# Altium PCB IG-1.PCBDOC (part 2 of 2)
Units mm, origin at the board's own origin, x right, y up, seen from the top; angles counter-clockwise.
Board outline 46.6 x 24.5 mm, 4 copper layers (Top, GND Plane, Mid1-Ver, Bottom), stack 1.565 mm thick; 28 components, 31 nets, 364 pads, 250 vias.
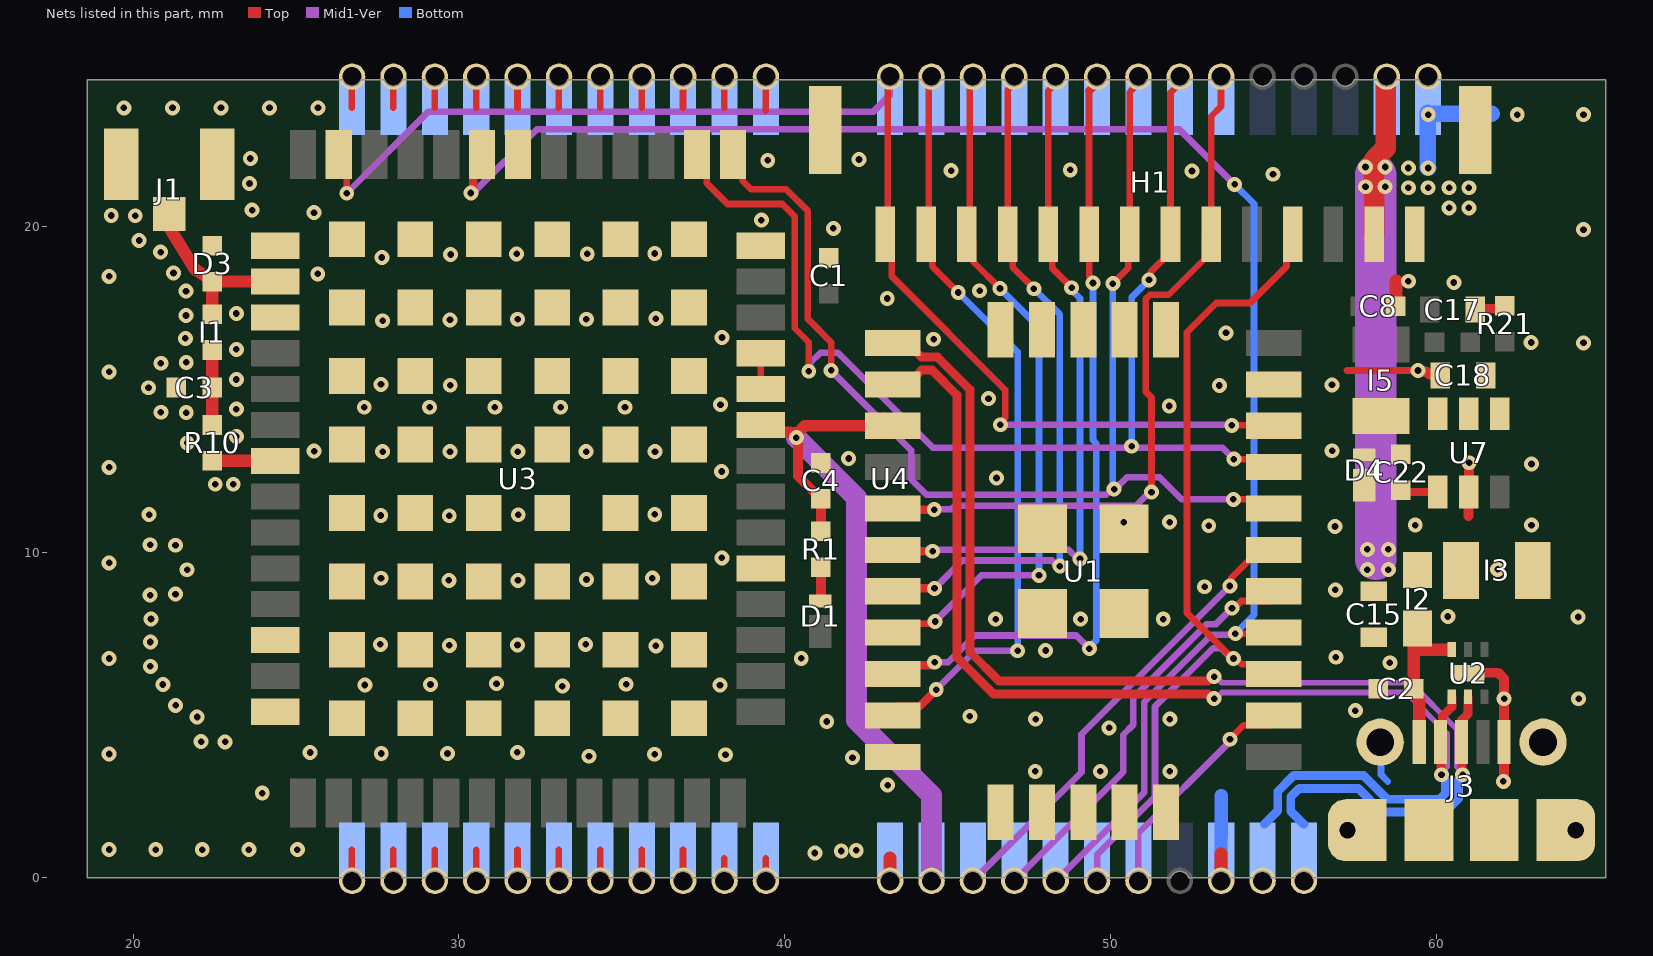
[diagram p4: the nets of this part, all layers, seen from the top]

## Via types
v1: diameter 0.457, hole 0.203, Top to Bottom, 250 vias

## Nets (pads, with @x,y where several pads share a name; then routed paths per layer and width w, separated by ;. In a path a pad name is that pad's centre, name@x,y a point inside that pad or via, vN(x,y) a via of type N, cw(c..) or ccw(c..) an arc to the next point about the centre after c; other vN are vias at no path point) (continued)
G2/Tx2TxCAN/SCL/STROBE: H1.6 U1.5 U4.6 | length 22.4
  Top w0.203: v1(51.254,11.84) 51.254,14.745 51.072,14.926 51.072,17.761 51.206,17.895 51.781,17.895 52.888,19.003 52.888,19.553 H1.6@53.087,19.751 53.087,23.372 53.388,23.673 53.388,24.199 U4.6@53.388,24.539
  Top w0.254: U1.5@43.136,11.337 43.172,11.301 v1(44.587,11.301)
  Mid1-Ver w0.203: v1(44.587,11.301) 44.605,11.318 45.121,11.318 45.222,11.419 50.777,11.419 51.198,11.84 v1(51.254,11.84)
G3/Tx0: H1.7 U1.19 U3.43 U4.7 | length 37.2
  Top w0.203: U3.43@37.313,22.201 37.611,21.902 37.611,21.313 38.241,20.683 39.922,20.683 40.305,20.3 40.305,16.871 40.736,16.44 v1(40.736,15.55) ; v1(51.178,18.352) 51.226,18.4 51.226,18.591 51.837,19.201 51.837,24.093 52.118,24.374 U4.7@52.118,24.539 ; v1(53.782,12.851) 54.941,12.851 U1.19@55.186,12.607
  Mid1-Ver w0.203: v1(40.736,15.55) 40.784,15.599 40.784,15.807 41.096,16.118 41.631,16.118 44.549,13.201 50.594,13.201 v1(50.642,13.249) ; v1@50.642,13.201 53.433,13.201 v1(53.782,12.851)
  Bottom w0.203: v1(50.642,13.249) 50.642,17.816 v1(51.178,18.352)
G4/Rx0: H1.8 U1.18 U3.42 U4.8 | length 37.9
  Top w0.203: U3.42@38.413,22.201 38.711,21.902 38.711,21.387 38.97,21.128 40.046,21.128 40.71,20.465 40.71,17.149 41.422,16.437 v1(41.422,15.574) ; v1@50.067,11.974 v1(50.109,11.932) ; v1@50.067,18.242 50.541,18.715 50.541,19.705 H1.8@50.587,19.751 50.587,24.113 50.848,24.374 U4.8@50.848,24.539 ; v1(53.764,11.616) 54.907,11.616 U1.18@55.186,11.337
  Mid1-Ver w0.203: v1(41.422,15.574) 43.878,13.118 43.878,12.229 44.35,11.758 49.866,11.758 50.04,11.932 50.131,11.932 50.497,12.298 51.498,12.298 52.18,11.616 v1(53.764,11.616)
  Bottom w0.203: v1@50.067,11.974 v1@50.067,18.242
  other v1: 50.067,18.238
G5/SCLK/STROBE: H1.9 U1.9 U4.9 | length 24.6
  Top w0.203: 49.337,24.147 H1.9@49.337,19.751 49.339,19.749 49.339,18.444 49.458,18.326 v1(49.458,18.257) ; v1@49.342,7.043 v1(49.347,7.038)
  Top w0.254: U1.9@43.136,6.257 43.409,6.53 44.455,6.53 44.545,6.619 v1(44.6,6.619) ; 49.337,24.147 49.578,24.388 U4.9@49.578,24.539
  Mid1-Ver w0.203: v1(44.6,6.619) 45.01,6.619 45.829,7.438 48.947,7.438 v1(49.347,7.038)
  Bottom w0.203: v1@49.347,7.048 49.347,7.077 49.554,7.284 49.554,13.342 49.458,13.438 v1(49.458,18.257)
G6/Rx1/MOSI: H1.10 U1.6 U4.10 | length 21.3
  Top w0.203: U4.10@48.308,24.539 48.308,24.374 48.087,24.153 H1.10@48.087,19.751 48.202,19.636 48.202,18.715 v1@48.803,18.114
  Top w0.254: U1.6@43.136,10.067 43.176,10.027 v1(44.539,10.027)
  Mid1-Ver w0.203: v1@44.552,10.027 44.596,10.071 48.711,10.071 48.99,9.793 v1(49.059,9.793)
  Bottom w0.203: v1@48.803,18.114 48.803,18.042 49.059,17.787 v1(49.059,9.793)
  other v1: 48.803,18.111
G7/Tx1/MISO: H1.11 U1.7 U4.11 | length 21.5
  Top w0.203: U4.11@47.038,24.539 47.038,24.374 46.837,24.173 H1.11@46.837,19.751 46.995,19.593 46.995,18.735 47.645,18.085 v1(47.645,18.082)
  Top w0.254: U1.7@43.136,8.797 43.227,8.888 v1(44.593,8.888)
  Mid1-Ver w0.203: v1@44.606,8.888 44.606,8.9 45.446,9.741 48.2,9.741 48.372,9.569 v1(48.441,9.569)
  Bottom w0.203: v1@47.647,18.083 47.647,18.08 48.441,17.286 v1(48.441,9.569)
G8/C\S\/STROBE: H1.12 U1.8 U4.12 | length 21.7
  Top w0.203: U1.8@43.136,7.527 43.409,7.8 44.488,7.8 44.558,7.87 v1(44.613,7.87) ; U4.12@45.768,24.539 45.677,24.448 45.677,19.842 H1.12@45.587,19.751 45.785,19.553 45.785,18.911 v1@46.606,18.091
  Mid1-Ver w0.203: v1@44.586,7.87 v1(44.613,7.87) 46.027,9.284 v1(47.8,9.284)
  Bottom w0.203: v1(46.604,18.089) 47.8,16.893 v1(47.8,9.284)
G9/S\P\I\_\E\N\/STROBE: H1.13 U1.10 U4.13 | length 23.8
  Top w0.203: U1.10@42.988,4.839 U1.10@43.136,4.987 ; U4.13@44.498,24.539 44.417,24.458 44.417,19.832 H1.13@44.337,19.751 44.526,19.562 44.526,18.765 45.322,17.969 v1(45.322,17.965)
  Top w0.254: U1.10@43.136,4.987 43.409,5.26 44.13,5.26 v1(44.65,5.78)
  Mid1-Ver w0.203: v1(44.65,5.78) 45.842,6.972 v1(47.146,6.972)
  Bottom w0.203: v1@45.324,17.967 47.146,16.145 v1(47.146,6.972)
G10/CHIP_ERASE: U1.17 U4.17 | length 14.4
  Top w0.203: v1(53.656,8.958) 53.705,9.006 53.705,9.211 54.561,10.067 U1.17@55.186,10.067
  Mid1-Ver w0.203: U4.17@45.773,-0.09 49.106,3.243 49.106,4.407 v1(53.656,8.958)
G11/SWDIO: U1.16 U4.18 | length 13
  Top w0.203: v1(53.723,8.279) 53.792,8.279 54.011,8.498 54.888,8.498 U1.16@55.186,8.797
  Mid1-Ver w0.203: U4.18@47.043,-0.09 50.388,3.255 50.388,4.396 50.699,4.707 50.699,5.534 52.956,7.79 53.235,7.79 v1(53.723,8.279)
G13/DRDY/XSDA: H1.4 U1.14 U4.20 | length 26.3
  Top w0.203: v1@53.737,6.734 52.341,8.13 52.341,16.744 53.24,17.642 54.274,17.642 55.398,18.766 55.398,19.562 H1.4@55.587,19.751 ; v1(53.772,6.734) 53.84,6.734 54.019,6.555 54.713,6.555 U1.14@55.011,6.257
  Mid1-Ver w0.203: U4.20@49.583,-0.09 49.583,0.713 51.36,2.49 51.36,5.26 53.145,7.046 53.391,7.046 53.703,6.734 v1(53.772,6.734)
G14/SWCLK: U1.13 U4.21 | length 7.3
  Top w0.203: v1(53.661,4.255) 53.661,4.263 54.086,4.688 54.888,4.688 U1.13@55.186,4.987
  Mid1-Ver w0.203: U4.21@50.847,-0.09 50.847,1.372 53.661,4.186 v1(53.661,4.255)
GND: C1.2 C2.2 C3.2 C4.2 C8.2 C15.2 C17.2 C18.2 D3.2 D4.A H1.0 H1.1 J1.2 J1.3 J3.5 J3.6 J3.7 J3.8 J3.9 R21.1 U1.0 U1.11 U1.21 U1.23 U1.24 U2.7 U3.1 U3.3 U3.12 U3.14 U3.32 U3.37 U3.38 U3.41 U3.48 U3.55 U4.0 U4.1 U4.15 U4.23 U7.2 | length 36.1
  Top w0.203: U4.0@26.717,0.16 26.717,0.86 ; 26.717,23.64 U4.0@26.717,24.34 ; U4.0@27.987,0.16 27.987,0.86 ; 27.987,23.64 U4.0@27.987,24.34 ; U4.0@29.257,0.16 29.257,0.86 ; 29.257,23.64 U4.0@29.257,24.34 ; U4.0@30.527,0.16 30.527,0.86 ; 30.527,23.64 U4.0@30.527,24.34 ; U4.0@31.797,0.16 31.797,0.86 ; 31.797,23.64 U4.0@31.797,24.34 ; U4.0@33.067,0.16 33.067,0.86 ; 33.067,23.64 U4.0@33.067,24.34 ; U4.0@34.337,0.16 34.337,0.86 ; 34.337,23.64 U4.0@34.337,24.34 ; U4.0@35.607,0.16 35.607,0.86 ; 35.607,23.64 U4.0@35.607,24.34 ; U4.0@36.877,0.16 36.877,0.86 ; 36.877,23.64 U4.0@36.877,24.34 ; U4.0@38.147,-0.09 38.147,0.61 ; 38.147,23.64 U4.0@38.147,24.34 ; U3.37@39.263,15.001 U3.38@39.263,16.101 ; U4.0@39.417,-0.09 39.417,0.61 ; 39.417,23.55 U4.0@39.417,24.59 ; v1@42.059,3.671 v1(42.078,3.69)
  Top w0.229: 57.261,15.572 v1@59.503,15.572
  Top w0.3: v1(59.43,15.572) 59.46,15.542 59.688,15.542 59.788,15.442
  Top w0.305: U2.7@60.969,6.285 60.981,6.297 61.892,6.297 62.071,6.119 v1@62.071,3.168 ; 60.988,11.108 U7.2@60.988,11.842 60.994,11.848 60.994,12.736 v1(60.999,12.742) ; C17.2@61.188,17.442 61.213,17.467 62.063,17.467 R21.1@62.088,17.492
  Top w0.406: U4.15@43.227,-0.09 43.227,0.61 ; U4.23@53.387,-0.09 53.39,0.739 ; C8.2@58.755,17.541 58.755,18.307 58.773,18.307
  Bottom w0.203: J3.6@58.27,4.167 J3.6@58.416,4.021 ; J3.6@58.296,3.929 58.296,3.17 58.504,2.961
  Bottom w0.406: U4.23@53.387,-0.09 53.394,2.53
  Bottom w0.508: v1(59.741,21.787) 59.737,21.791 59.737,23.475 59.759,23.453 61.687,23.453
  other v1: 40.924,0.765 41.733,0.827 42.195,0.847 19.267,0.873 20.696,0.869 22.125,0.869 23.554,0.869 25.043,0.869 23.964,2.603 43.156,2.85 62.053,2.964 47.685,3.27 49.685,3.27 51.817,3.27 33.992,3.735 36.007,3.796 38.18,3.781 19.267,3.804 27.616,3.82 29.651,3.82 25.433,3.849 31.793,3.853 22.826,4.174 22.09,4.182 49.952,4.607 41.288,4.8 47.7,4.872 51.817,4.872 21.968,4.94 45.681,4.962 57.509,5.133 21.309,5.297 62.074,5.498 64.361,5.498 33.175,5.885 27.113,5.922 38.01,5.917 20.916,5.937 29.128,5.936 35.132,5.945 31.154,5.963 20.532,6.493 58.566,6.603 19.267,6.736 40.505,6.737 56.912,6.772 48.004,6.981 36.044,7.121 29.706,7.136 31.8,7.148 27.591,7.167 33.887,7.166 20.531,7.241 20.553,7.946 46.47,7.943 49.077,7.943 51.614,7.943 64.343,8.007 60.35,8.023 20.524,8.68 21.302,8.708 56.894,8.838 52.886,8.935 29.694,9.132 31.812,9.132 33.917,9.159 27.608,9.198 35.935,9.199 21.66,9.457 61.877,9.469 19.267,9.667 38.069,9.823 21.302,10.21 20.524,10.224 53.009,10.807 56.885,10.785 59.348,10.827 62.914,10.826 50.407,10.913 51.809,10.92 27.601,11.123 29.704,11.114 20.494,11.151 31.82,11.144 36.009,11.158 22.523,12.08 23.076,12.08 46.495,12.275 38.064,12.472 19.267,12.598 62.914,12.703 41.958,12.872 27.661,13.082 29.728,13.082 31.807,13.082 33.906,13.082 36.016,13.082 25.558,13.099 56.798,13.108 21.663,13.351 23.173,13.545 21.634,14.277 20.856,14.292 23.173,14.385 27.096,14.445 29.104,14.445 31.102,14.445 33.121,14.445 35.098,14.445 51.799,14.484 38.027,14.525 46.251,14.709 20.476,15.043 29.735,15.118 53.335,15.11 27.611,15.145 56.792,15.132 23.173,15.297 19.267,15.53 20.856,15.794 21.634,15.822 23.173,16.22 64.51,16.419 62.904,16.432 44.567,16.531 21.604,16.556 38.073,16.584 53.54,16.727 27.658,17.097 29.728,17.126 31.801,17.144 33.913,17.144 36.045,17.163 21.626,17.261 23.173,17.32 43.144,17.781 21.626,18.009 45.978,18.018 60.532,18.273 59.136,18.31 19.267,18.461 25.67,18.538 21.241,18.565 27.635,19.04 29.748,19.13 31.771,19.152 33.94,19.152 36.01,19.162 20.848,19.205 20.189,19.562 64.51,19.896 41.492,19.932 39.283,20.185 19.331,20.328 20.067,20.32 25.552,20.416 23.654,20.492 60.387,20.561 60.991,20.561 59.136,21.18 59.741,21.18 60.387,21.18 60.991,21.18 23.576,21.309 54.984,21.595 52.494,21.694 45.104,21.705 48.761,21.727 59.136,21.787 39.478,22.02 42.277,22.047 23.6,22.077 59.745,23.422 62.477,23.422 64.51,23.422 19.721,23.631 21.21,23.631 22.699,23.631 24.188,23.631 25.677,23.631
GPS1_ANT: D3.1 I1.1 J1.1 U3.2 | length 5.2
  Top w0.378: J1.1@21.113,20.376 21.078,20.229 21.067,20.186 21.067,20.034 21.88,18.712 21.94,18.652 22.319,18.407 D3.1@22.43,18.3 I1.1@22.43,17.3 ; D3.1@22.713,18.301 U3.2@24.363,18.301
GPS.TIMEPULSE: H1.14 U1.20 U3.53 U4.14 | length 40.6
  Top w0.203: U3.53@26.313,22.201 26.557,21.956 v1(26.557,21.01) ; U4.14@43.228,24.539 43.157,24.468 43.157,19.822 H1.14@43.087,19.751 43.285,19.553 43.285,18.459 46.767,14.978 46.767,14.127 46.614,13.975 v1(46.614,13.906) ; v1(53.715,13.89) 55.173,13.89 U1.20@55.186,13.877
  Mid1-Ver w0.203: v1(26.557,21.01) 29.064,23.517 42.723,23.517 43.215,24.009 43.215,24.572 U4.14@43.233,24.59 ; v1(46.614,13.906) 46.616,13.904 v1@53.715,13.904
GPS_RESET_N: U1.15 U3.49 U4.19 | length 52.2
  Top w0.203: v1(53.825,7.498) 55.158,7.498 U1.15@55.186,7.527
  Top w0.254: v1(30.366,21.017) 30.366,21.072 30.44,21.145 30.44,21.928 U3.49@30.713,22.201
  Mid1-Ver w0.203: v1(30.366,21.017) 30.435,21.017 32.389,22.971 52.116,22.971 v1(53.804,21.284) ; U4.19@48.313,-0.09 51.029,2.626 51.029,5.397 53.093,7.46 53.787,7.46 v1(53.825,7.498)
  Bottom w0.203: v1(53.804,21.284) 54.4,20.687 54.4,8.074 v1(53.825,7.498)
NetC22_1: C22.1 U7.1 | length 1.2
  Top w0.254: C22.1@58.892,12.027 58.892,12.021 59.071,11.842 U7.1@60.038,11.842
NetD1_C: D1.C R1.1 | length 1
  Top w0.305: D1.C@41.109,8.514 R1.1@41.109,9.533
SW: C22.2 D4.C I5.1 U7.6
USB.D_N: J3.2 U1.2 U2.1 U4.24 | length 38.8
  Top w0.272: 45.284,14.819 45.284,6.769 46.413,5.64 52.985,5.64 53.125,5.5 v1(53.175,5.5)
  Top w0.273: U1.2@42.611,15.159 43.773,15.159 44.196,15.582 44.521,15.582 45.284,14.819 ; v1(60.151,3.167) 60.135,3.183 60.135,4.151 J3.2@60.12,4.167 60.184,4.231 60.184,4.96 60.469,5.246 U2.1@60.469,5.56
  Mid1-Ver w0.177: v1(53.175,5.5) 53.232,5.5 53.419,5.687 59.068,5.687 60.324,4.431 60.324,3.411 60.151,3.238 v1(60.151,3.167)
  Bottom w0.272: U4.24@54.716,1.647 55.128,2.06 55.128,2.654 55.623,3.149 57.758,3.149 58.489,2.417 60.094,2.417 60.277,2.6 60.277,2.991 60.151,3.117 v1(60.151,3.167)
USB.D_P: J3.3 U1.1 U2.2 U4.25 | length 39.2
  Top w0.272: 45.683,14.985 45.683,6.934 46.578,6.039 52.985,6.039 53.125,6.179 v1(53.175,6.179)
  Top w0.273: U1.1@42.611,16.429 43.748,16.429 44.196,15.982 44.686,15.982 45.683,14.985 ; J3.3@60.77,4.167 60.77,4.842 60.969,5.041 U2.2@60.969,5.56 ; J3.3@60.785,4.167 60.785,3.183 v1(60.801,3.167)
  Mid1-Ver w0.177: v1(53.175,6.179) 53.221,6.179 53.409,5.991 59.194,5.991 60.628,4.557 60.628,3.411 60.801,3.238 v1(60.801,3.167)
  Bottom w0.272: U4.25@55.932,1.647 55.527,2.051 55.527,2.488 55.789,2.75 57.592,2.75 58.324,2.018 60.259,2.018 60.675,2.434 60.675,2.991 60.801,3.117 v1(60.801,3.167)
USB.VBUS: C2.1 I2.2 J3.1 U2.6 | length 3.5
  Top w0.381: I2.2@59.307,7.302 C2.1@59.307,5.799 59.417,5.69 59.417,5.517 59.467,5.467 J3.1@59.467,4.747 ; 59.543,7.009 U2.6@60.404,7.009
V_ANT: C3.1 I1.2 R10.2 | length 2.3
  Top w0.378: R10.2@22.43,13.9 22.43,15 22.38,15.05 22.43,15.1 I1.2@22.43,16.2
VBAT: C4.1 R1.2 U1.3 U3.36 U4.16 | length 22.7
  Top w0.305: v1(40.355,13.513) 40.384,13.484 40.384,13.376 40.41,13.35 40.41,12.331 C4.1@41.109,11.633 R1.2@41.109,10.633
  Top w0.356: U3.36@39.399,13.884 39.604,13.678 40.162,13.678 40.327,13.513 v1(40.355,13.513) 40.355,13.54 40.406,13.591 40.406,13.664 40.614,13.872 42.966,13.872 U1.3@43.053,13.959
  Top w0.635: U1.3@43.053,13.959 U1.3@43.136,13.877
  Mid1-Ver w0.635: v1(40.355,13.513) 42.201,11.666 42.201,4.839 44.503,2.537 U4.16@44.503,-0.09
VCC_RF: R10.1 U3.7 | length 1.9
  Top w0.378: R10.1@22.43,12.801 U3.7@24.363,12.801
VIN: C15.1 H1.2 I2.1 I3.1 U4.2 | length 16.8
  Top w0.635: H1.2@58.087,19.751 58.087,22.043 58.442,22.399 58.442,24.514 U4.2@58.468,24.539
  Mid1-Ver w1.27: 58.138,9.772 58.138,21.58
  other v1: 57.878,9.462 58.524,9.462 57.878,10.084 58.524,10.084 57.819,21.209 58.424,21.209 57.819,21.816 58.424,21.816
VIN_P: C18.1 I3.2 U7.4 U7.5
pads on no net: J3.4 U2.3 U2.4 U2.5 U3.4 U3.5 U3.6 U3.8 U3.9 U3.10 U3.11 U3.13 U3.15 U3.16 U3.17 U3.18 U3.19 U3.20 U3.21 U3.22 U3.23 U3.24 U3.25 U3.26 U3.27 U3.28 U3.29 U3.30 U3.31 U3.35 U3.39 U3.40 U3.44 U3.45 U3.46 U3.47 U3.50 U3.51 U3.52 U3.54 U4.4

## Polygon pours and split planes (outlines as drawn)
GND on Top "GND_L01_P010" (solid, remove dead copper, pour order 10): 19.025,0.517 19.025,24 64.744,24 64.744,0.517
GND on Top "NONET_L-01_P-001" (solid, pour order 12): 59.126,24.25 59.126,19.021 58.455,18.349 58.455,17.241 64.863,17.241 64.888,17.266 64.888,24.25
+3.3V on Mid1-Ver "+3.3V_L03_P009" (solid, remove dead copper, pour order 9): 18.625,0.25 18.625,24.25 64.785,24.25 64.785,0.25
GND on Bottom "GND_L04_P013" (solid, remove dead copper, pour order 13): 18.807,0.517 18.807,24 64.744,24 64.744,0.517
GND on GND Plane (split plane): 616 vertices, not listed, extent 18.856,0.256 64.944,24.244

## Other copper
Top:
  region net VIN: 57.673,8.541 61.174,8.541 61.174,10.318 59.874,10.318 57.673,10.318
  pour cut-out: 21.638,20.709 21.638,19.76 22.336,19.76 22.336,20.709
  pour cut-out: 22.815,19.273 22.815,18.53 23.513,18.53 23.513,19.273
  pour cut-out: 41.596,17.148 41.596,16.405 42.001,16.405 42.012,16.394 42.021,16.402 42.021,17.148
  pour cut-out: 40.18,15.165 40.18,14.422 40.586,14.422 40.597,14.411 40.606,14.419 40.606,15.165
  region net +3.3V: 59.171,16.031 58.999,15.859 56.371,15.859 56.211,16.031 54.452,16.031 54.452,16.81 56.537,18.894 56.537,19.126 57.137,19.126 57.137,18.819 58.205,17.751 58.205,17.083 59.256,17.083 59.256,17.817 60.24,17.817 60.24,16.173 60.098,16.031
  region net VIN_P: 63.509,10.316 63.154,10.316 63.154,8.573 64.97,8.573 64.97,15.842 62.238,15.842 61.447,15.842 61.44,15.834 61.324,15.836 61.33,15.485 60.688,14.843 60.688,13.234 63.509,13.234
  region net SW: 57.415,15.301 57.415,12.894 60.34,12.894 60.34,14.651 59.165,14.651 59.165,15.301
Mid1-Ver:
  region net +3.3V: 56.759,18.663 56.759,17.067 56.509,16.817 55.1,16.817 54.808,17.109 56.362,18.663
Bottom:
  region net +3.3V: 56.759,18.663 56.759,17.067 56.509,16.817 55.1,16.817 54.808,17.109 56.362,18.663

## Silkscreen, mask and mechanical layers (free items; w line width, h text height)
Silkscreen Top:
  region: 51.693,9.909 cw(c49.239,9.909) 51.693,9.913 cw(c51.586,9.913) 51.693,9.913 cw(c51.586,9.913) 51.478,9.913 ccw(c49.239,9.909) 51.478,9.909 cw(c51.586,9.909)
  region: 49.134,8.756 49.134,8.258 49.347,8.258 49.347,8.788
  region: 49.244,11.639 48.926,11.101 49.135,11.009 49.135,10.822 49.347,10.848 49.347,11.009 49.551,11.096
  region: 50.472,10.687 49.934,11.005 49.842,10.796 49.817,10.796 49.842,10.584 49.929,10.38
  region: 49.818,10.796 49.598,10.788 49.311,10.762 49.172,10.743 48.935,10.698 48.805,10.665 48.64,10.608 48.534,10.553 48.478,10.518 48.438,10.486 48.396,10.446 48.369,10.405 48.346,10.369 48.333,10.333 48.324,10.296 48.321,10.261 48.321,10.221 48.325,10.192 48.34,10.146 48.358,10.106 48.385,10.068 48.431,10.02 48.474,9.984 48.526,9.948 48.605,9.907 48.692,9.866 48.794,9.827 48.894,9.793 48.988,9.764 49.079,9.739 49.079,9.962 48.94,10.002 48.808,10.047 48.699,10.094 48.614,10.139 48.581,10.166 48.549,10.201 48.537,10.224 48.533,10.247 48.533,10.272 48.546,10.297 48.569,10.323 48.6,10.348 48.634,10.37 48.679,10.392 48.731,10.415 48.775,10.43 48.824,10.448 48.888,10.465 48.962,10.485 49.066,10.507 49.176,10.527 49.283,10.543 49.429,10.559 49.609,10.577 49.841,10.59
  region: 49.134,10.435 49.134,9.142 49.347,9.174 49.347,10.468
  region: 48.51,8.807 48.824,8.816 49.097,8.839 49.309,8.867 49.546,8.913 49.676,8.946 49.84,9.003 49.947,9.058 50.003,9.093 50.042,9.124 50.085,9.165 50.112,9.205 50.135,9.242 50.148,9.278 50.157,9.315 50.16,9.349 50.16,9.39 50.155,9.419 50.14,9.465 50.123,9.505 50.095,9.542 50.05,9.591 50.006,9.627 49.955,9.662 49.876,9.704 49.788,9.745 49.687,9.784 49.587,9.817 49.493,9.846 49.401,9.872 49.401,9.649 49.541,9.609 49.673,9.563 49.782,9.517 49.866,9.472 49.9,9.445 49.932,9.409 49.943,9.386 49.948,9.363 49.948,9.339 49.935,9.314 49.911,9.288 49.88,9.262 49.846,9.241 49.802,9.218 49.75,9.196 49.705,9.18 49.656,9.163 49.593,9.146 49.519,9.126 49.414,9.103 49.304,9.084 49.198,9.068 49.052,9.052 48.872,9.034 48.51,9.017
  lines w0.305: 41.745,7.698 41.745,10.004 ; 41.751,10.984 41.751,13.321
  text "IG-1.1.1-G1" at 64.969,16.013 h1.65 r90
Silkscreen Bottom:
  text "'.PcbRevision'" at 60.144,5.864 h2.03
Dimensions:
  drawing of 295 lines, arcs and shapes, not listed
  text "Layer" at 79.045,35.193 h1.52
  text "Name" at 89.457,35.193 h1.52
  text "Material" at 119.167,35.193 h1.52
  text "Thickness" at 141.005,35.193 h1.52
  text "Constant" at 157.511,35.193 h1.52
  text "Board Layer Stack" at 171.985,35.193 h1.52
  text "Silkscreen Top" at 89.457,32.145 h1.52
  text "Solder Mask Top" at 89.457,29.097 h1.52
  text "Solder Resist" at 119.167,29.097 h1.52
  text "0.40mil" at 141.005,29.097 h1.52
  text "3.5" at 157.511,29.097 h1.52
  text "1" at 79.045,26.049 h1.52
  text "Top" at 89.457,26.049 h1.52
  text "2.10mil" at 141.005,26.049 h1.52
  text "Dielectric1" at 89.457,23.001 h1.52
  text "PP-006" at 119.167,23.001 h1.52
  text "8.00mil" at 141.005,23.001 h1.52
  text "4.1" at 157.511,23.001 h1.52
  text "2" at 79.045,19.953 h1.52
  text "GND Plane" at 89.457,19.953 h1.52
  text "0.70mil" at 141.005,19.953 h1.52
  text "Dielectric3" at 89.457,16.905 h1.52
  text "Core-009" at 119.167,16.905 h1.52
  text "40.00mil" at 141.005,16.905 h1.52
  text "4.5" at 157.511,16.905 h1.52
  text "3" at 79.045,13.857 h1.52
  text "Mid1-Ver" at 89.457,13.857 h1.52
  text "0.70mil" at 141.005,13.857 h1.52
  text "Dielectric2" at 89.457,10.809 h1.52
  text "PP-006" at 119.167,10.809 h1.52
  text "8.00mil" at 141.005,10.809 h1.52
  text "4.1" at 157.511,10.809 h1.52
  text "4" at 79.045,7.761 h1.52
  text "Bottom" at 89.457,7.761 h1.52
  text "2.10mil" at 141.005,7.761 h1.52
  text "Solder Mask Bottom" at 89.457,4.713 h1.52
  text "Solder Resist" at 119.167,4.713 h1.52
  text "0.40mil" at 141.005,4.713 h1.52
  text "3.5" at 157.511,4.713 h1.52
  text "Silkscreen Bottom" at 89.457,1.665 h1.52
Drill Drawing:
  circle w0.127: c1.429,-11.139 r0.494
  lines w0.127: 0.056,-18.967 57.191,-18.967 ; 0.056,-10.077 57.191,-10.077 ; 8.15,-21.189 8.15,-7.854 ; 18.422,-21.189 18.422,-7.854 ; 38.292,-21.189 38.292,-7.854 ; 45.719,-21.189 45.719,-7.854 ; 0.056,-21.189 57.191,-21.189 57.191,-7.854 0.056,-7.854 0.056,-21.189 ; 0.935,-18.3 1.923,-18.3 1.923,-17.312 0.935,-17.312 0.935,-18.3 ; 0.935,-15.83 1.182,-15.83 1.429,-16.077 1.676,-15.83 1.923,-15.83 1.676,-15.584 1.923,-15.337 1.676,-15.337 1.429,-15.09 1.182,-15.337 0.935,-15.337 1.182,-15.584 0.935,-15.83 ; 0.935,-12.867 1.923,-12.867 1.429,-13.855 0.935,-12.867
  text "Symbol" at 1.389,-9.41 h1.07
  text "Hit Count" at 8.817,-9.41 h1.07
  text "Finished Hole Size" at 19.089,-9.41 h1.07
  text "Plated" at 38.958,-9.41 h1.07
  text "Hole Type" at 46.386,-9.41 h1.07
  text "2" at 8.817,-11.632 h0.89
  text "19.69mil (0.500mm)" at 19.089,-11.632 h0.89
  text "PTH" at 38.958,-11.632 h0.89
  text "Slot" at 46.386,-11.632 h0.89
  text "2" at 8.817,-13.855 h0.89
  text "33.47mil (0.850mm)" at 19.089,-13.855 h0.89
  text "PTH" at 38.958,-13.855 h0.89
  text "Round" at 46.386,-13.855 h0.89
  text "47" at 8.817,-16.077 h0.89
  text "23.00mil (0.584mm)" at 19.089,-16.077 h0.89
  text "PTH" at 38.958,-16.077 h0.89
  text "Round" at 46.386,-16.077 h0.89
  text "250" at 8.817,-18.3 h0.89
  text "8.00mil (0.203mm)" at 19.089,-18.3 h0.89
  text "PTH" at 38.958,-18.3 h0.89
  text "Round" at 46.386,-18.3 h0.89
  text "301 Total" at 8.817,-20.522 h0.89
  text "Slot definitions :" at 1.389,-22.628 h0.89
  text "Routed Path Length" at 16.631,-22.628 h0.89
  text "= Calculated from tool start centre position to tool end centre position." at 32.91,-22.628 h0.89
  text "Hole Length" at 16.631,-24.067 h0.89
  text "= Routed Path Length + Tool Size = Slot length as defined in the PCB layout" at 26.837,-24.067 h0.89
Board Outline:
  lines w0.127: 65.194,24.5 60.015,24.5 cw(c59.737,24.59) 59.459,24.5 58.745,24.5 cw(c58.467,24.59) 58.189,24.5 57.475,24.5 cw(c57.197,24.59) 56.919,24.5 56.205,24.5 cw(c55.927,24.59) 55.649,24.5 54.935,24.5 cw(c54.657,24.59) 54.379,24.5 53.665,24.5 cw(c53.387,24.59) 53.109,24.5 52.395,24.5 cw(c52.117,24.59) 51.839,24.5 51.125,24.5 cw(c50.847,24.59) 50.569,24.5 49.855,24.5 cw(c49.577,24.59) 49.299,24.5 48.585,24.5 cw(c48.307,24.59) 48.029,24.5 47.315,24.5 cw(c47.037,24.59) 46.759,24.5 46.045,24.5 cw(c45.767,24.59) 45.489,24.5 44.775,24.5 cw(c44.497,24.59) 44.219,24.5 43.505,24.5 cw(c43.227,24.59) 42.949,24.5 39.695,24.5 cw(c39.417,24.59) 39.139,24.5 38.425,24.5 cw(c38.147,24.59) 37.869,24.5 37.155,24.5 cw(c36.877,24.59) 36.599,24.5 35.885,24.5 cw(c35.607,24.59) 35.329,24.5 34.615,24.5 cw(c34.337,24.59) 34.059,24.5 33.345,24.5 cw(c33.067,24.59) 32.789,24.5 32.075,24.5 cw(c31.797,24.59) 31.519,24.5 30.805,24.5 cw(c30.527,24.59) 30.249,24.5 29.535,24.5 cw(c29.257,24.59) 28.979,24.5 28.265,24.5 cw(c27.987,24.59) 27.709,24.5 26.995,24.5 cw(c26.717,24.59) 26.439,24.5 18.6,24.5 18.6,0 25.725,0 26.439,0 cw(c26.717,-0.09) 26.995,0 27.709,0 cw(c27.987,-0.09) 28.265,0 28.979,0 cw(c29.257,-0.09) 29.535,0 30.249,0 cw(c30.527,-0.09) 30.805,0 31.519,0 cw(c31.797,-0.09) 32.075,0 32.789,0 cw(c33.067,-0.09) 33.345,0 34.059,0 cw(c34.337,-0.09) 34.615,0 35.329,0 cw(c35.607,-0.09) 35.885,0 36.599,0 cw(c36.877,-0.09) 37.155,0 37.869,0 cw(c38.147,-0.09) 38.425,0 39.139,0 cw(c39.417,-0.09) 39.695,0 42.949,0 cw(c43.227,-0.09) 43.505,0 44.219,0 cw(c44.497,-0.09) 44.775,0 45.489,0 cw(c45.767,-0.09) 46.045,0 46.759,0 cw(c47.037,-0.09) 47.315,0 48.029,0 cw(c48.307,-0.09) 48.585,0 49.299,0 cw(c49.577,-0.09) 49.855,0 50.569,0 cw(c50.847,-0.09) 51.125,0 51.839,0 cw(c52.117,-0.09) 52.395,0 53.109,0 cw(c53.387,-0.09) 53.665,0 54.379,0 cw(c54.657,-0.09) 54.935,0 55.649,0 cw(c55.927,-0.09) 56.205,0 65.2,0 65.2,24.5

## Dimensions
65.2,0 to 65.194,24.5 on Dimensions
18.6,0 to 65.2,0 on Dimensions

## Text inside footprints (layer, text, board x,y; h text height)
U1: Silkscreen Top "22" at 52.959,16.117 h1.02; Silkscreen Top "12" at 52.986,3.417 h1.02; Silkscreen Top "11" at 44.384,3.417 h1.02; Silkscreen Top "1" at 44.384,16.117 h1.02
U4: Silkscreen Bottom "15" at 42.9,2 h1.14 r270; Silkscreen Bottom "25" at 55.6,2 h1.14 r270; Silkscreen Bottom "14" at 42.9,21.5 h1.14 r270; Silkscreen Bottom "1" at 59.4,22 h1.14 r270; Silkscreen Bottom "IS-IG-1.1-G1" at 59.91,17.464 h3.81; Silkscreen Bottom "INERTIAL" at 37.156,5.993 h2.03; Silkscreen Bottom "SENSE" at 28.719,5.991 h2.03; Silkscreen Bottom "2022" at 58.953,4.348 h1.27; Silkscreen Bottom "C" at 59.865,4.495 h0.76